# KiCad board panel.kicad_pcb (continued)
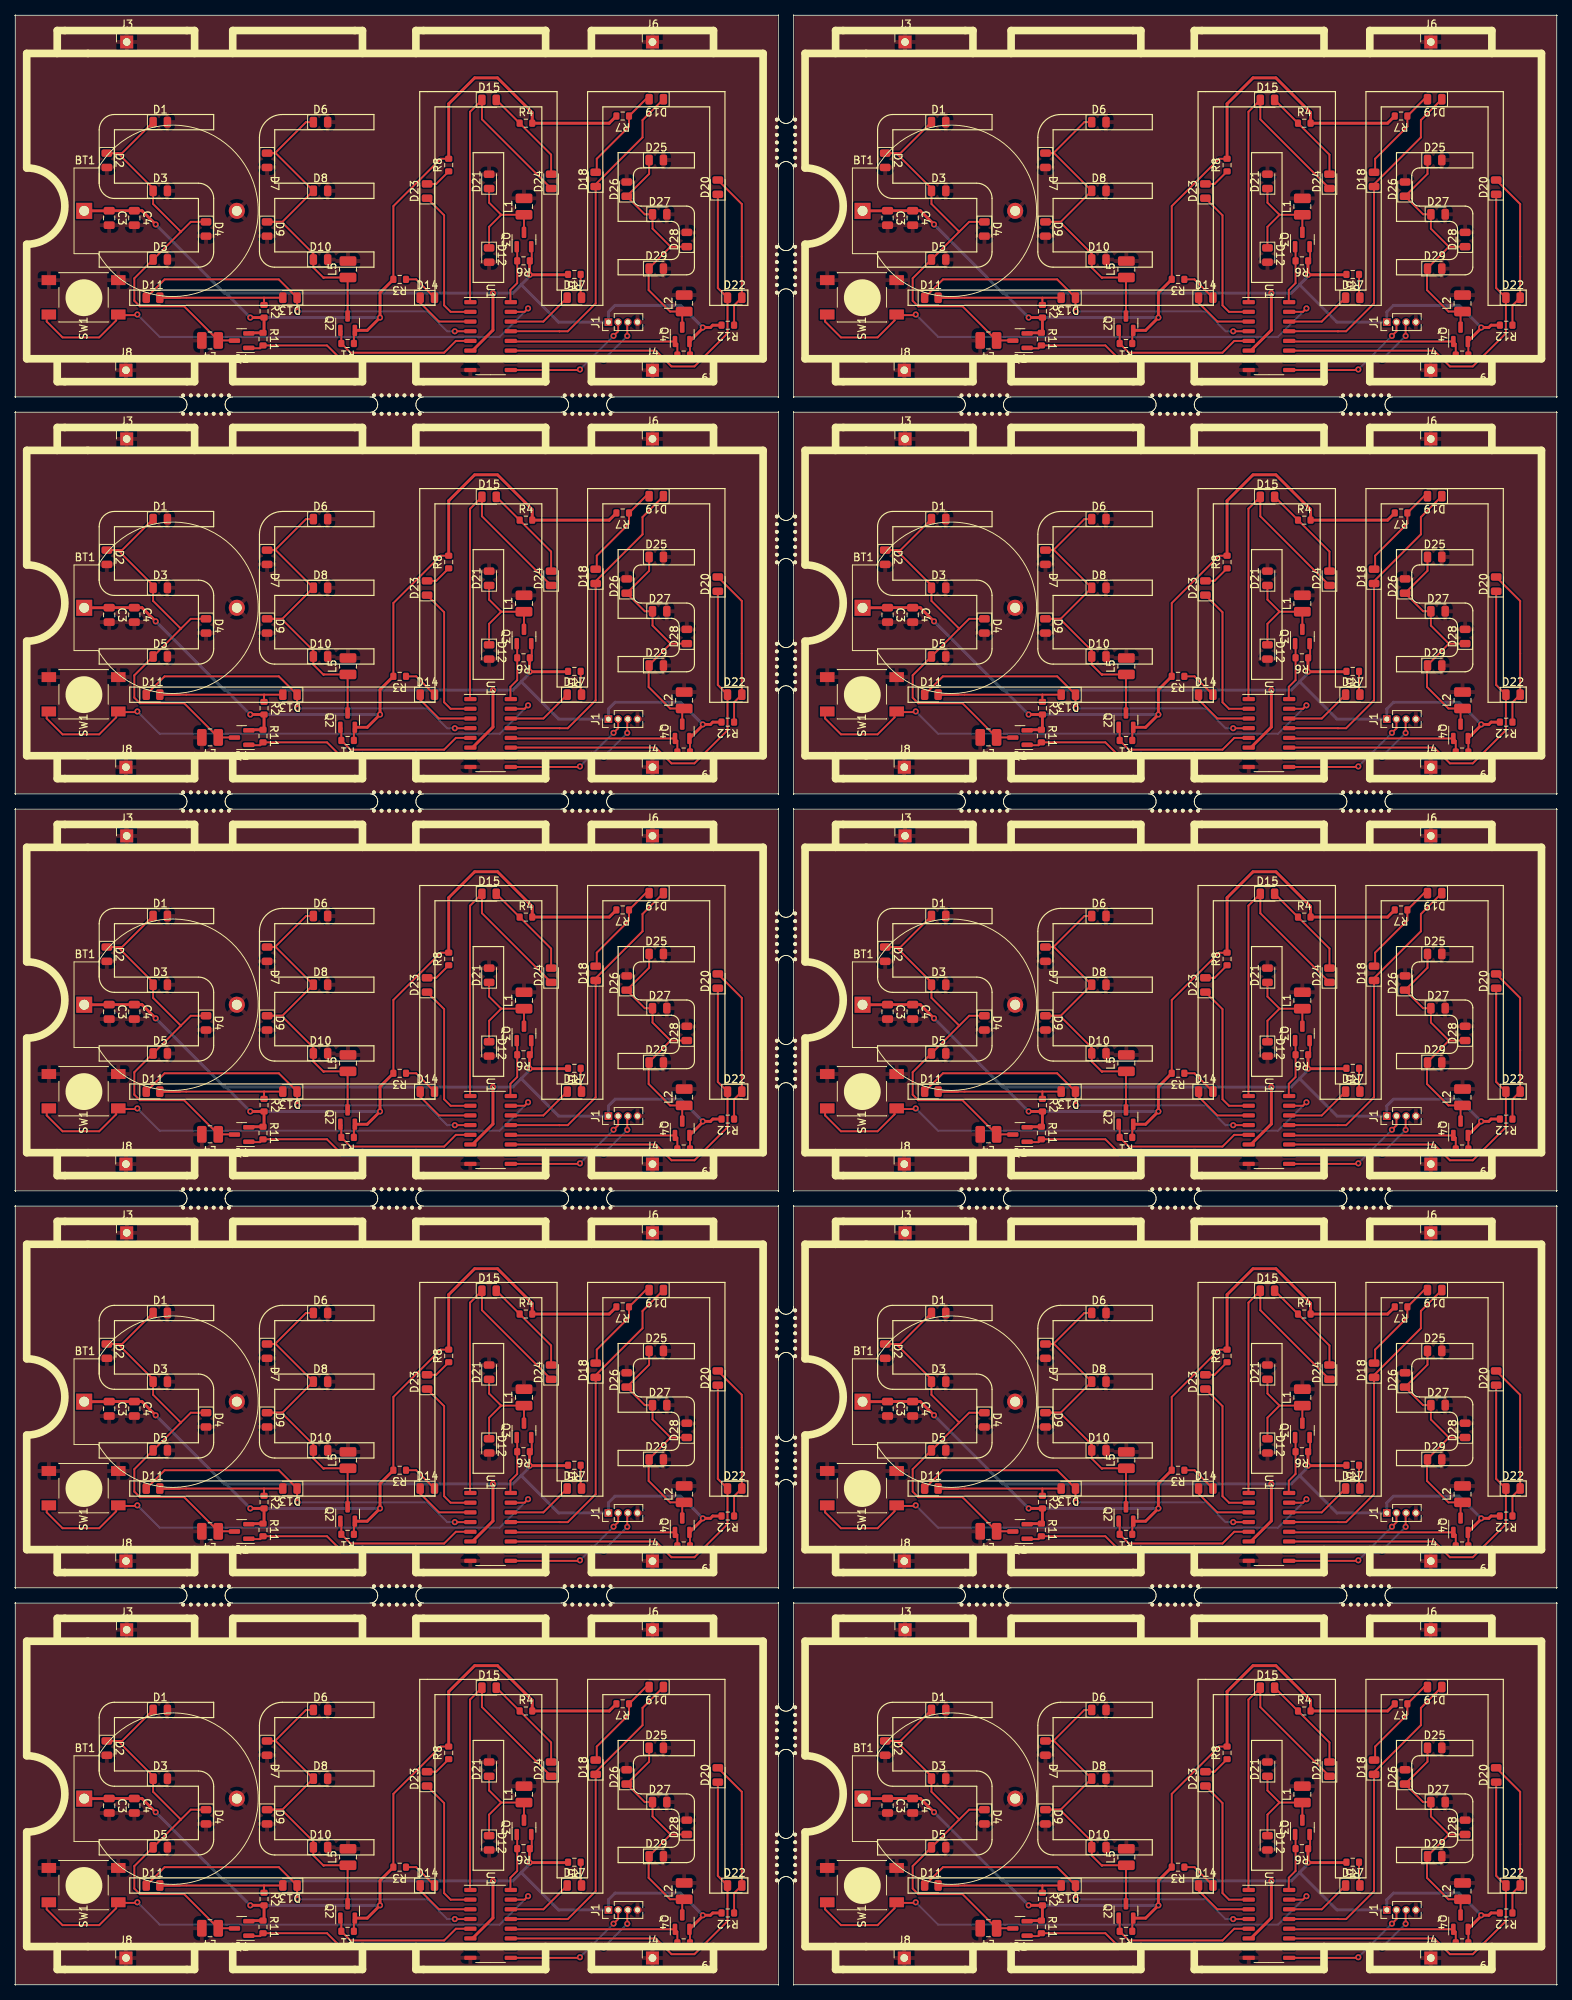
[diagram p0: board, top side]
## Placement (name value [footprint] x y rotation side) (continued)
U1#2  STC8G1K08-SOP16  [STC_SOP-16_3.9x9.9mm_P1.27mm]  164.29 215.97 270 top
U1#3  STC8G1K08-SOP16  [STC_SOP-16_3.9x9.9mm_P1.27mm]  62.29 163.97 270 top
U1#4  STC8G1K08-SOP16  [STC_SOP-16_3.9x9.9mm_P1.27mm]  164.29 163.97 270 top
U1#5  STC8G1K08-SOP16  [STC_SOP-16_3.9x9.9mm_P1.27mm]  62.29 111.97 270 top
U1#6  STC8G1K08-SOP16  [STC_SOP-16_3.9x9.9mm_P1.27mm]  164.29 111.97 270 top
U1#7  STC8G1K08-SOP16  [STC_SOP-16_3.9x9.9mm_P1.27mm]  62.29 59.97 270 top
U1#8  STC8G1K08-SOP16  [STC_SOP-16_3.9x9.9mm_P1.27mm]  164.29 59.97 270 top
U1#9  STC8G1K08-SOP16  [STC_SOP-16_3.9x9.9mm_P1.27mm]  62.29 7.97 270 top
U1#10  STC8G1K08-SOP16  [STC_SOP-16_3.9x9.9mm_P1.27mm]  164.29 7.97 270 top

## Library data of the parts
BT1 BT1#2-BT1#10 = -: Description: Multiple-cell battery
C3 C3#2-C3#10 C4 C4#2-C4#10 = -: Description: Unpolarized capacitor
D1 D1#2-D1#10 D2 D2#2-D2#10 D3 D3#2-D3#10 D4 D4#2-D4#10 D5 D5#2-D5#10 D6 D6#2-D6#10 D7 D7#2-D7#10 D8 D8#2-D8#10 D9 D9#2-D9#10 D10 D10#2-D10#10 D11 D11#2-D11#10 D12 D12#2-D12#10 D13 D13#2-D13#10 D14 D14#2-D14#10 D15 D15#2-D15#10 D17 D17#2-D17#10 D18 D18#2-D18#10 D19 D19#2-D19#10 D20 D20#2-D20#10 D21 D21#2-D21#10 D22 D22#2-D22#10 D23 D23#2-D23#10 D24 D24#2-D24#10 D25 D25#2-D25#10 D26 D26#2-D26#10 D27 D27#2-D27#10 D28 D28#2-D28#10 D29 D29#2-D29#10 = -: Description: Light emitting diode
J1 J1#2-J1#10 = -: Description: Generic connector, single row, 01x04, script generated (kicad-library-utils/schlib/autogen/connector/)
J3 J3#2-J3#10 J4 J4#2-J4#10 J6 J6#2-J6#10 J8 J8#2-J8#10 = -: Description: Generic connector, single row, 01x01, script generated (kicad-library-utils/schlib/autogen/connector/)
L1 L1#2-L1#10 L2 L2#2-L2#10 L4 L4#2-L4#10 L5 L5#2-L5#10 = -: Description: Inductor
Q1 Q1#2-Q1#10 Q2 Q2#2-Q2#10 Q3 Q3#2-Q3#10 Q4 Q4#2-Q4#10 = -: Description: -4.0A Id, -30V Vds, P-Channel MOSFET, SOT-23
R1 R1#2-R1#10 R2 R2#2-R2#10 R3 R3#2-R3#10 R4 R4#2-R4#10 R5 R5#2-R5#10 R6 R6#2-R6#10 R7 R7#2-R7#10 R8 R8#2-R8#10 R9 R9#2-R9#10 R11 R11#2-R11#10 R12 R12#2-R12#10 = -: Description: Resistor
SW1 SW1#2-SW1#10 = -: Description: Single Pole Single Throw (SPST) switch, separate symbol
U1 U1#2-U1#10 = -: Description: Single Chip MCU based on the 8051 architecture, 1KB Flash, 4KB EEPROM, SOP-16

## Footprints (pads in the part's own frame, mm; a bottom-side part is the same pattern mirrored in y, then rotated)
C_0805_2012Metric
  rrect 1x1.45 smd: 1(-0.95,0) 2(0.95,0)
CR2032_Holder
  rect 2.1x2.1 hole 1.3: 1(0,0)
  round 2.1 hole 1.3: 2(20,0)
L_1008_2520Metric
  rrect 1.25x2.2 smd: 1(-1.075,0) 2(1.075,0)
LED_0805_2012Metric
  rrect 0.975x1.4 smd: 1(-0.938,0) 2(0.938,0)
LED_0805_2012Metric#2
  rrect 0.975x1.4 smd: 1(-0.834,-0.002) 2(0.938,0)
NPTH
  round 0.5 hole 0.5 unplated: (0,0)
PinHeader_1x01_P2.54mm_Vertical
  rect 1.7x1.7 hole 1: 1(0,0)
PinHeader_1x04_P1.27mm_Vertical
  rect 1x1 hole 0.65: 1(0,0)
  oval 1x1 hole 0.65: 2(0,-1.27) 3(0,-2.54) 4(0,-3.81)
R_0603_1608Metric
  rrect 0.8x0.95 smd: 1(-0.825,0) 2(0.825,0)
SOT-23
  rrect 1.475x0.6 smd: 1(0.938,-0.95) 2(0.938,0.95) 3(-0.938,0)
STC_SOP-16_3.9x9.9mm_P1.27mm
  rrect 0.55x1.6 smd: 1(-4.445,-2.65) 2(-3.175,-2.65) 3(-1.905,-2.65) 4(-0.635,-2.65) 5(0.635,-2.65) 6(1.905,-2.65) 7(3.175,-2.65) 8(4.445,-2.65) 9(4.445,2.65) 10(3.175,2.65) 11(1.905,2.65) 12(0.635,2.65) 13(-0.635,2.65) 14(-1.905,2.65) 15(-3.175,2.65) 16(-4.445,2.65)
SW_Push_K2-1102SP
  rect 1.3x1.9 smd: 1(-2.25,4.55) 1(-2.25,-4.55) 2(2.25,4.55) 2(2.25,-4.55)

## Nets
Board_0-/LED_EN_1: Q3.1 R6.2 U1.16
Board_0-/LED_EN_5: Q4.1 R9.2 U1.12
Board_0-/LED_EN_E: Q2.1 R1.2 U1.5
Board_0-/LED_EN_M1: D11.1 D13.1 U1.4
Board_0-/LED_EN_M2: D14.1 U1.3
Board_0-/LED_EN_M3: D23.1 U1.2
Board_0-/LED_EN_M4: D15.1 D24.1 U1.1
Board_0-/LED_EN_M5: D17.1 U1.14
Board_0-/LED_EN_M6: D18.1 D19.1 U1.13
Board_0-/LED_EN_M7: D20.1 D22.1 U1.11
Board_0-/LED_EN_S: Q1.1 R11.2 U1.7
Board_0-/P3.0: J1.2 U1.9
Board_0-/P3.1: J1.3 U1.10
Board_0-/SW_IN: SW1.1 U1.15
Board_0-GND: BT1.2 C3.2 C4.2 D1.2 D2.2 D3#8.2 D4.2 D5.2 D6#10.2 D7.2 D8.2 D9.2 D10.2 D12.2 D21.2 D25.2 D26#2.2 D27#4.2 D28.2 D29.2 J1.4 J3#7.1 J4.1 J6.1 J8.1 L1.2 L2.2 L4.2 L5.2 SW1.2 U1.8
Board_0-Net-(D1-K): D1.1 D2.1 D3#8.1 D4.1 D5.1 L4.1 Q1.3
Board_0-Net-(D10-K): D6#10.1 D7.1 D8.1 D9.1 D10.1 L5.1 Q2.3
Board_0-Net-(D11-A): D11.2 D13.2 R2.1
Board_0-Net-(D12-K): D12.1 D21.1 L1.1 Q3.3
Board_0-Net-(D14-A): D14.2 R3.1
Board_0-Net-(D15-A): D15.2 D24.2 R4.1
Board_0-Net-(D17-A): D17.2 R5.1
Board_0-Net-(D18-A): D18.2 D19.2 R7.1
Board_0-Net-(D20-A): D20.2 D22.2 R12.1
Board_0-Net-(D23-A): D23.2 R8.1
Board_0-Net-(D25-K): D25.1 D26#2.1 D27#4.1 D28.1 D29.1 L2.1 Q4.3
Board_0-VCC: BT1.1 C3.1 C4.1 J1.1 Q1.2 Q2.2 Q3.2 Q4.2 R1.1 R2.2 R3.2 R4.2 R5.2 R6.1 R7.2 R8.2 R9.1 R11.1 R12.2 U1.6
Board_1-/LED_EN_1: Q3#2.1 R6#2.2 U1#2.16
Board_1-/LED_EN_5: Q4#2.1 R9#2.2 U1#2.12
Board_1-/LED_EN_E: Q2#2.1 R1#2.2 U1#2.5
Board_1-/LED_EN_M1: D11#2.1 D13#2.1 U1#2.4
Board_1-/LED_EN_M2: D14#2.1 U1#2.3
Board_1-/LED_EN_M3: D23#2.1 U1#2.2
Board_1-/LED_EN_M4: D15#2.1 D24#2.1 U1#2.1
Board_1-/LED_EN_M5: D17#2.1 U1#2.14
Board_1-/LED_EN_M6: D18#2.1 D19#2.1 U1#2.13
Board_1-/LED_EN_M7: D20#2.1 D22#2.1 U1#2.11
Board_1-/LED_EN_S: Q1#2.1 R11#2.2 U1#2.7
Board_1-/P3.0: J1#2.2 U1#2.9
Board_1-/P3.1: J1#2.3 U1#2.10
Board_1-/SW_IN: SW1#2.1 U1#2.15
Board_1-GND: BT1#2.2 C3#2.2 C4#2.2 D1#2.2 D2#2.2 D3#9.2 D4#2.2 D5#2.2 D6.2 D7#2.2 D8#2.2 D9#2.2 D10#2.2 D12#2.2 D21#2.2 D25#2.2 D26.2 D27#5.2 D28#2.2 D29#2.2 J1#2.4 J3#8.1 J4#2.1 J6#2.1 J8#2.1 L1#2.2 L2#2.2 L4#2.2 L5#2.2 SW1#2.2 U1#2.8
Board_1-Net-(D1-K): D1#2.1 D2#2.1 D3#9.1 D4#2.1 D5#2.1 L4#2.1 Q1#2.3
Board_1-Net-(D10-K): D6.1 D7#2.1 D8#2.1 D9#2.1 D10#2.1 L5#2.1 Q2#2.3
Board_1-Net-(D11-A): D11#2.2 D13#2.2 R2#2.1
Board_1-Net-(D12-K): D12#2.1 D21#2.1 L1#2.1 Q3#2.3
Board_1-Net-(D14-A): D14#2.2 R3#2.1
Board_1-Net-(D15-A): D15#2.2 D24#2.2 R4#2.1
Board_1-Net-(D17-A): D17#2.2 R5#2.1
Board_1-Net-(D18-A): D18#2.2 D19#2.2 R7#2.1
Board_1-Net-(D20-A): D20#2.2 D22#2.2 R12#2.1
Board_1-Net-(D23-A): D23#2.2 R8#2.1
Board_1-Net-(D25-K): D25#2.1 D26.1 D27#5.1 D28#2.1 D29#2.1 L2#2.1 Q4#2.3
Board_1-VCC: BT1#2.1 C3#2.1 C4#2.1 J1#2.1 Q1#2.2 Q2#2.2 Q3#2.2 Q4#2.2 R1#2.1 R2#2.2 R3#2.2 R4#2.2 R5#2.2 R6#2.1 R7#2.2 R8#2.2 R9#2.1 R11#2.1 R12#2.2 U1#2.6
Board_2-/LED_EN_1: Q3#3.1 R6#3.2 U1#3.16
Board_2-/LED_EN_5: Q4#3.1 R9#3.2 U1#3.12
Board_2-/LED_EN_E: Q2#3.1 R1#3.2 U1#3.5
Board_2-/LED_EN_M1: D11#3.1 D13#3.1 U1#3.4
Board_2-/LED_EN_M2: D14#3.1 U1#3.3
Board_2-/LED_EN_M3: D23#3.1 U1#3.2
Board_2-/LED_EN_M4: D15#3.1 D24#3.1 U1#3.1
Board_2-/LED_EN_M5: D17#3.1 U1#3.14
Board_2-/LED_EN_M6: D18#3.1 D19#3.1 U1#3.13
Board_2-/LED_EN_M7: D20#3.1 D22#3.1 U1#3.11
Board_2-/LED_EN_S: Q1#3.1 R11#3.2 U1#3.7
Board_2-/P3.0: J1#3.2 U1#3.9
Board_2-/P3.1: J1#3.3 U1#3.10
Board_2-/SW_IN: SW1#3.1 U1#3.15
Board_2-GND: BT1#3.2 C3#3.2 C4#3.2 D1#3.2 D2#3.2 D3#10.2 D4#3.2 D5#3.2 D6#2.2 D7#3.2 D8#3.2 D9#3.2 D10#3.2 D12#3.2 D21#3.2 D25#3.2 D26#3.2 D27#6.2 D28#3.2 D29#3.2 J1#3.4 J3#9.1 J4#3.1 J6#3.1 J8#3.1 L1#3.2 L2#3.2 L4#3.2 L5#3.2 SW1#3.2 U1#3.8
Board_2-Net-(D1-K): D1#3.1 D2#3.1 D3#10.1 D4#3.1 D5#3.1 L4#3.1 Q1#3.3
Board_2-Net-(D10-K): D6#2.1 D7#3.1 D8#3.1 D9#3.1 D10#3.1 L5#3.1 Q2#3.3
Board_2-Net-(D11-A): D11#3.2 D13#3.2 R2#3.1
Board_2-Net-(D12-K): D12#3.1 D21#3.1 L1#3.1 Q3#3.3
Board_2-Net-(D14-A): D14#3.2 R3#3.1
Board_2-Net-(D15-A): D15#3.2 D24#3.2 R4#3.1
Board_2-Net-(D17-A): D17#3.2 R5#3.1
Board_2-Net-(D18-A): D18#3.2 D19#3.2 R7#3.1
Board_2-Net-(D20-A): D20#3.2 D22#3.2 R12#3.1
Board_2-Net-(D23-A): D23#3.2 R8#3.1
Board_2-Net-(D25-K): D25#3.1 D26#3.1 D27#6.1 D28#3.1 D29#3.1 L2#3.1 Q4#3.3
Board_2-VCC: BT1#3.1 C3#3.1 C4#3.1 J1#3.1 Q1#3.2 Q2#3.2 Q3#3.2 Q4#3.2 R1#3.1 R2#3.2 R3#3.2 R4#3.2 R5#3.2 R6#3.1 R7#3.2 R8#3.2 R9#3.1 R11#3.1 R12#3.2 U1#3.6
Board_3-/LED_EN_1: Q3#4.1 R6#4.2 U1#4.16
Board_3-/LED_EN_5: Q4#4.1 R9#4.2 U1#4.12
Board_3-/LED_EN_E: Q2#4.1 R1#4.2 U1#4.5
Board_3-/LED_EN_M1: D11#4.1 D13#4.1 U1#4.4
Board_3-/LED_EN_M2: D14#4.1 U1#4.3
Board_3-/LED_EN_M3: D23#4.1 U1#4.2
Board_3-/LED_EN_M4: D15#4.1 D24#4.1 U1#4.1
Board_3-/LED_EN_M5: D17#4.1 U1#4.14
Board_3-/LED_EN_M6: D18#5.1 D19#4.1 U1#4.13
Board_3-/LED_EN_M7: D20#4.1 D22#4.1 U1#4.11
Board_3-/LED_EN_S: Q1#4.1 R11#4.2 U1#4.7
Board_3-/P3.0: J1#4.2 U1#4.9
Board_3-/P3.1: J1#4.3 U1#4.10
Board_3-/SW_IN: SW1#4.1 U1#4.15
Board_3-GND: BT1#4.2 C3#4.2 C4#4.2 D1#4.2 D2#4.2 D3.2 D4#4.2 D5#4.2 D6#3.2 D7#4.2 D8#4.2 D9#4.2 D10#4.2 D12#4.2 D21#4.2 D25#4.2 D26#4.2 D27#7.2 D28#4.2 D29#4.2 J1#4.4 J3#10.1 J4#4.1 J6#4.1 J8#4.1 L1#4.2 L2#4.2 L4#4.2 L5#4.2 SW1#4.2 U1#4.8
Board_3-Net-(D1-K): D1#4.1 D2#4.1 D3.1 D4#4.1 D5#4.1 L4#4.1 Q1#4.3
Board_3-Net-(D10-K): D6#3.1 D7#4.1 D8#4.1 D9#4.1 D10#4.1 L5#4.1 Q2#4.3
Board_3-Net-(D11-A): D11#4.2 D13#4.2 R2#4.1
Board_3-Net-(D12-K): D12#4.1 D21#4.1 L1#4.1 Q3#4.3
Board_3-Net-(D14-A): D14#4.2 R3#4.1
Board_3-Net-(D15-A): D15#4.2 D24#4.2 R4#4.1
Board_3-Net-(D17-A): D17#4.2 R5#4.1
Board_3-Net-(D18-A): D18#5.2 D19#4.2 R7#4.1
Board_3-Net-(D20-A): D20#4.2 D22#4.2 R12#4.1
Board_3-Net-(D23-A): D23#4.2 R8#4.1
Board_3-Net-(D25-K): D25#4.1 D26#4.1 D27#7.1 D28#4.1 D29#4.1 L2#4.1 Q4#4.3
Board_3-VCC: BT1#4.1 C3#4.1 C4#4.1 J1#4.1 Q1#4.2 Q2#4.2 Q3#4.2 Q4#4.2 R1#4.1 R2#4.2 R3#4.2 R4#4.2 R5#4.2 R6#4.1 R7#4.2 R8#4.2 R9#4.1 R11#4.1 R12#4.2 U1#4.6
Board_4-/LED_EN_1: Q3#5.1 R6#5.2 U1#5.16
Board_4-/LED_EN_5: Q4#5.1 R9#5.2 U1#5.12
Board_4-/LED_EN_E: Q2#5.1 R1#5.2 U1#5.5
Board_4-/LED_EN_M1: D11#5.1 D13#5.1 U1#5.4
Board_4-/LED_EN_M2: D14#5.1 U1#5.3
Board_4-/LED_EN_M3: D23#5.1 U1#5.2
Board_4-/LED_EN_M4: D15#5.1 D24#5.1 U1#5.1
Board_4-/LED_EN_M5: D17#5.1 U1#5.14
Board_4-/LED_EN_M6: D18#6.1 D19#5.1 U1#5.13
Board_4-/LED_EN_M7: D20#5.1 D22#5.1 U1#5.11
Board_4-/LED_EN_S: Q1#5.1 R11#5.2 U1#5.7
Board_4-/P3.0: J1#5.2 U1#5.9
Board_4-/P3.1: J1#5.3 U1#5.10
Board_4-/SW_IN: SW1#5.1 U1#5.15
Board_4-GND: BT1#5.2 C3#5.2 C4#5.2 D1#5.2 D2#5.2 D3#2.2 D4#5.2 D5#5.2 D6#4.2 D7#5.2 D8#5.2 D9#5.2 D10#5.2 D12#5.2 D21#5.2 D25#5.2 D26#5.2 D27#8.2 D28#5.2 D29#5.2 J1#5.4 J3.1 J4#5.1 J6#5.1 J8#5.1 L1#5.2 L2#5.2 L4#5.2 L5#5.2 SW1#5.2 U1#5.8
Board_4-Net-(D1-K): D1#5.1 D2#5.1 D3#2.1 D4#5.1 D5#5.1 L4#5.1 Q1#5.3
Board_4-Net-(D10-K): D6#4.1 D7#5.1 D8#5.1 D9#5.1 D10#5.1 L5#5.1 Q2#5.3
Board_4-Net-(D11-A): D11#5.2 D13#5.2 R2#5.1
Board_4-Net-(D12-K): D12#5.1 D21#5.1 L1#5.1 Q3#5.3
Board_4-Net-(D14-A): D14#5.2 R3#5.1
Board_4-Net-(D15-A): D15#5.2 D24#5.2 R4#5.1
Board_4-Net-(D17-A): D17#5.2 R5#5.1
Board_4-Net-(D18-A): D18#6.2 D19#5.2 R7#5.1
Board_4-Net-(D20-A): D20#5.2 D22#5.2 R12#5.1
Board_4-Net-(D23-A): D23#5.2 R8#5.1
Board_4-Net-(D25-K): D25#5.1 D26#5.1 D27#8.1 D28#5.1 D29#5.1 L2#5.1 Q4#5.3
Board_4-VCC: BT1#5.1 C3#5.1 C4#5.1 J1#5.1 Q1#5.2 Q2#5.2 Q3#5.2 Q4#5.2 R1#5.1 R2#5.2 R3#5.2 R4#5.2 R5#5.2 R6#5.1 R7#5.2 R8#5.2 R9#5.1 R11#5.1 R12#5.2 U1#5.6
Board_5-/LED_EN_1: Q3#6.1 R6#6.2 U1#6.16
Board_5-/LED_EN_5: Q4#6.1 R9#6.2 U1#6.12
Board_5-/LED_EN_E: Q2#6.1 R1#6.2 U1#6.5
Board_5-/LED_EN_M1: D11#6.1 D13#6.1 U1#6.4
Board_5-/LED_EN_M2: D14#6.1 U1#6.3
Board_5-/LED_EN_M3: D23#6.1 U1#6.2
Board_5-/LED_EN_M4: D15#6.1 D24#6.1 U1#6.1
Board_5-/LED_EN_M5: D17#6.1 U1#6.14
Board_5-/LED_EN_M6: D18#7.1 D19#6.1 U1#6.13
Board_5-/LED_EN_M7: D20#6.1 D22#6.1 U1#6.11
Board_5-/LED_EN_S: Q1#6.1 R11#6.2 U1#6.7
Board_5-/P3.0: J1#6.2 U1#6.9
Board_5-/P3.1: J1#6.3 U1#6.10
Board_5-/SW_IN: SW1#6.1 U1#6.15
Board_5-GND: BT1#6.2 C3#6.2 C4#6.2 D1#6.2 D2#6.2 D3#3.2 D4#6.2 D5#6.2 D6#5.2 D7#6.2 D8#6.2 D9#6.2 D10#6.2 D12#6.2 D21#6.2 D25#6.2 D26#6.2 D27#9.2 D28#6.2 D29#6.2 J1#6.4 J3#2.1 J4#6.1 J6#6.1 J8#6.1 L1#6.2 L2#6.2 L4#6.2 L5#6.2 SW1#6.2 U1#6.8
Board_5-Net-(D1-K): D1#6.1 D2#6.1 D3#3.1 D4#6.1 D5#6.1 L4#6.1 Q1#6.3
Board_5-Net-(D10-K): D6#5.1 D7#6.1 D8#6.1 D9#6.1 D10#6.1 L5#6.1 Q2#6.3
Board_5-Net-(D11-A): D11#6.2 D13#6.2 R2#6.1
Board_5-Net-(D12-K): D12#6.1 D21#6.1 L1#6.1 Q3#6.3
Board_5-Net-(D14-A): D14#6.2 R3#6.1
Board_5-Net-(D15-A): D15#6.2 D24#6.2 R4#6.1
Board_5-Net-(D17-A): D17#6.2 R5#6.1
Board_5-Net-(D18-A): D18#7.2 D19#6.2 R7#6.1
Board_5-Net-(D20-A): D20#6.2 D22#6.2 R12#6.1
Board_5-Net-(D23-A): D23#6.2 R8#6.1
Board_5-Net-(D25-K): D25#6.1 D26#6.1 D27#9.1 D28#6.1 D29#6.1 L2#6.1 Q4#6.3
Board_5-VCC: BT1#6.1 C3#6.1 C4#6.1 J1#6.1 Q1#6.2 Q2#6.2 Q3#6.2 Q4#6.2 R1#6.1 R2#6.2 R3#6.2 R4#6.2 R5#6.2 R6#6.1 R7#6.2 R8#6.2 R9#6.1 R11#6.1 R12#6.2 U1#6.6
Board_6-/LED_EN_1: Q3#7.1 R6#7.2 U1#7.16
Board_6-/LED_EN_5: Q4#7.1 R9#7.2 U1#7.12
Board_6-/LED_EN_E: Q2#7.1 R1#7.2 U1#7.5
Board_6-/LED_EN_M1: D11#7.1 D13#7.1 U1#7.4
Board_6-/LED_EN_M2: D14#7.1 U1#7.3
Board_6-/LED_EN_M3: D23#7.1 U1#7.2
Board_6-/LED_EN_M4: D15#7.1 D24#7.1 U1#7.1
Board_6-/LED_EN_M5: D17#7.1 U1#7.14
Board_6-/LED_EN_M6: D18#4.1 D19#7.1 U1#7.13
Board_6-/LED_EN_M7: D20#7.1 D22#7.1 U1#7.11
Board_6-/LED_EN_S: Q1#7.1 R11#7.2 U1#7.7
Board_6-/P3.0: J1#7.2 U1#7.9
Board_6-/P3.1: J1#7.3 U1#7.10
Board_6-/SW_IN: SW1#7.1 U1#7.15
Board_6-GND: BT1#7.2 C3#7.2 C4#7.2 D1#7.2 D2#7.2 D3#4.2 D4#7.2 D5#7.2 D6#6.2 D7#7.2 D8#7.2 D9#7.2 D10#7.2 D12#7.2 D21#7.2 D25#7.2 D26#7.2 D27#10.2 D28#7.2 D29#7.2 J1#7.4 J3#3.1 J4#7.1 J6#7.1 J8#7.1 L1#7.2 L2#7.2 L4#7.2 L5#7.2 SW1#7.2 U1#7.8
Board_6-Net-(D1-K): D1#7.1 D2#7.1 D3#4.1 D4#7.1 D5#7.1 L4#7.1 Q1#7.3
Board_6-Net-(D10-K): D6#6.1 D7#7.1 D8#7.1 D9#7.1 D10#7.1 L5#7.1 Q2#7.3
Board_6-Net-(D11-A): D11#7.2 D13#7.2 R2#7.1
Board_6-Net-(D12-K): D12#7.1 D21#7.1 L1#7.1 Q3#7.3
Board_6-Net-(D14-A): D14#7.2 R3#7.1
Board_6-Net-(D15-A): D15#7.2 D24#7.2 R4#7.1
Board_6-Net-(D17-A): D17#7.2 R5#7.1
Board_6-Net-(D18-A): D18#4.2 D19#7.2 R7#7.1
Board_6-Net-(D20-A): D20#7.2 D22#7.2 R12#7.1
Board_6-Net-(D23-A): D23#7.2 R8#7.1
Board_6-Net-(D25-K): D25#7.1 D26#7.1 D27#10.1 D28#7.1 D29#7.1 L2#7.1 Q4#7.3
Board_6-VCC: BT1#7.1 C3#7.1 C4#7.1 J1#7.1 Q1#7.2 Q2#7.2 Q3#7.2 Q4#7.2 R1#7.1 R2#7.2 R3#7.2 R4#7.2 R5#7.2 R6#7.1 R7#7.2 R8#7.2 R9#7.1 R11#7.1 R12#7.2 U1#7.6
Board_7-/LED_EN_1: Q3#8.1 R6#8.2 U1#8.16
Board_7-/LED_EN_5: Q4#8.1 R9#8.2 U1#8.12
Board_7-/LED_EN_E: Q2#8.1 R1#8.2 U1#8.5
Board_7-/LED_EN_M1: D11#8.1 D13#8.1 U1#8.4
Board_7-/LED_EN_M2: D14#8.1 U1#8.3
Board_7-/LED_EN_M3: D23#8.1 U1#8.2
Board_7-/LED_EN_M4: D15#8.1 D24#8.1 U1#8.1
Board_7-/LED_EN_M5: D17#8.1 U1#8.14
Board_7-/LED_EN_M6: D18#8.1 D19#8.1 U1#8.13
Board_7-/LED_EN_M7: D20#8.1 D22#8.1 U1#8.11
Board_7-/LED_EN_S: Q1#8.1 R11#8.2 U1#8.7
Board_7-/P3.0: J1#8.2 U1#8.9
Board_7-/P3.1: J1#8.3 U1#8.10
Board_7-/SW_IN: SW1#8.1 U1#8.15
Board_7-GND: BT1#8.2 C3#8.2 C4#8.2 D1#8.2 D2#8.2 D3#5.2 D4#8.2 D5#8.2 D6#7.2 D7#8.2 D8#8.2 D9#8.2 D10#8.2 D12#8.2 D21#8.2 D25#8.2 D26#8.2 D27.2 D28#8.2 D29#8.2 J1#8.4 J3#4.1 J4#8.1 J6#8.1 J8#8.1 L1#8.2 L2#8.2 L4#8.2 L5#8.2 SW1#8.2 U1#8.8
Board_7-Net-(D1-K): D1#8.1 D2#8.1 D3#5.1 D4#8.1 D5#8.1 L4#8.1 Q1#8.3
Board_7-Net-(D10-K): D6#7.1 D7#8.1 D8#8.1 D9#8.1 D10#8.1 L5#8.1 Q2#8.3
Board_7-Net-(D11-A): D11#8.2 D13#8.2 R2#8.1
Board_7-Net-(D12-K): D12#8.1 D21#8.1 L1#8.1 Q3#8.3
Board_7-Net-(D14-A): D14#8.2 R3#8.1
Board_7-Net-(D15-A): D15#8.2 D24#8.2 R4#8.1
Board_7-Net-(D17-A): D17#8.2 R5#8.1
Board_7-Net-(D18-A): D18#8.2 D19#8.2 R7#8.1
Board_7-Net-(D20-A): D20#8.2 D22#8.2 R12#8.1
Board_7-Net-(D23-A): D23#8.2 R8#8.1
Board_7-Net-(D25-K): D25#8.1 D26#8.1 D27.1 D28#8.1 D29#8.1 L2#8.1 Q4#8.3
Board_7-VCC: BT1#8.1 C3#8.1 C4#8.1 J1#8.1 Q1#8.2 Q2#8.2 Q3#8.2 Q4#8.2 R1#8.1 R2#8.2 R3#8.2 R4#8.2 R5#8.2 R6#8.1 R7#8.2 R8#8.2 R9#8.1 R11#8.1 R12#8.2 U1#8.6
Board_8-/LED_EN_1: Q3#9.1 R6#9.2 U1#9.16
Board_8-/LED_EN_5: Q4#9.1 R9#9.2 U1#9.12
Board_8-/LED_EN_E: Q2#9.1 R1#9.2 U1#9.5
Board_8-/LED_EN_M1: D11#9.1 D13#9.1 U1#9.4
Board_8-/LED_EN_M2: D14#9.1 U1#9.3
Board_8-/LED_EN_M3: D23#9.1 U1#9.2
Board_8-/LED_EN_M4: D15#9.1 D24#9.1 U1#9.1
Board_8-/LED_EN_M5: D17#9.1 U1#9.14
Board_8-/LED_EN_M6: D18#9.1 D19#9.1 U1#9.13
Board_8-/LED_EN_M7: D20#9.1 D22#9.1 U1#9.11
Board_8-/LED_EN_S: Q1#9.1 R11#9.2 U1#9.7
Board_8-/P3.0: J1#9.2 U1#9.9
Board_8-/P3.1: J1#9.3 U1#9.10
Board_8-/SW_IN: SW1#9.1 U1#9.15
Board_8-GND: BT1#9.2 C3#9.2 C4#9.2 D1#9.2 D2#9.2 D3#6.2 D4#9.2 D5#9.2 D6#8.2 D7#9.2 D8#9.2 D9#9.2 D10#9.2 D12#9.2 D21#9.2 D25#9.2 D26#9.2 D27#2.2 D28#9.2 D29#9.2 J1#9.4 J3#5.1 J4#9.1 J6#9.1 J8#9.1 L1#9.2 L2#9.2 L4#9.2 L5#9.2 SW1#9.2 U1#9.8
Board_8-Net-(D1-K): D1#9.1 D2#9.1 D3#6.1 D4#9.1 D5#9.1 L4#9.1 Q1#9.3
Board_8-Net-(D10-K): D6#8.1 D7#9.1 D8#9.1 D9#9.1 D10#9.1 L5#9.1 Q2#9.3
Board_8-Net-(D11-A): D11#9.2 D13#9.2 R2#9.1
Board_8-Net-(D12-K): D12#9.1 D21#9.1 L1#9.1 Q3#9.3
Board_8-Net-(D14-A): D14#9.2 R3#9.1
Board_8-Net-(D15-A): D15#9.2 D24#9.2 R4#9.1
Board_8-Net-(D17-A): D17#9.2 R5#9.1
Board_8-Net-(D18-A): D18#9.2 D19#9.2 R7#9.1
Board_8-Net-(D20-A): D20#9.2 D22#9.2 R12#9.1
Board_8-Net-(D23-A): D23#9.2 R8#9.1
Board_8-Net-(D25-K): D25#9.1 D26#9.1 D27#2.1 D28#9.1 D29#9.1 L2#9.1 Q4#9.3
Board_8-VCC: BT1#9.1 C3#9.1 C4#9.1 J1#9.1 Q1#9.2 Q2#9.2 Q3#9.2 Q4#9.2 R1#9.1 R2#9.2 R3#9.2 R4#9.2 R5#9.2 R6#9.1 R7#9.2 R8#9.2 R9#9.1 R11#9.1 R12#9.2 U1#9.6
Board_9-/LED_EN_1: Q3#10.1 R6#10.2 U1#10.16
Board_9-/LED_EN_5: Q4#10.1 R9#10.2 U1#10.12
Board_9-/LED_EN_E: Q2#10.1 R1#10.2 U1#10.5
Board_9-/LED_EN_M1: D11#10.1 D13#10.1 U1#10.4
Board_9-/LED_EN_M2: D14#10.1 U1#10.3
Board_9-/LED_EN_M3: D23#10.1 U1#10.2
Board_9-/LED_EN_M4: D15#10.1 D24#10.1 U1#10.1
Board_9-/LED_EN_M5: D17#10.1 U1#10.14
Board_9-/LED_EN_M6: D18#10.1 D19#10.1 U1#10.13
Board_9-/LED_EN_M7: D20#10.1 D22#10.1 U1#10.11
Board_9-/LED_EN_S: Q1#10.1 R11#10.2 U1#10.7
Board_9-/P3.0: J1#10.2 U1#10.9
Board_9-/P3.1: J1#10.3 U1#10.10
Board_9-/SW_IN: SW1#10.1 U1#10.15
Board_9-GND: BT1#10.2 C3#10.2 C4#10.2 D1#10.2 D2#10.2 D3#7.2 D4#10.2 D5#10.2 D6#9.2 D7#10.2 D8#10.2 D9#10.2 D10#10.2 D12#10.2 D21#10.2 D25#10.2 D26#10.2 D27#3.2 D28#10.2 D29#10.2 J1#10.4 J3#6.1 J4#10.1 J6#10.1 J8#10.1 L1#10.2 L2#10.2 L4#10.2 L5#10.2 SW1#10.2 U1#10.8
Board_9-Net-(D1-K): D1#10.1 D2#10.1 D3#7.1 D4#10.1 D5#10.1 L4#10.1 Q1#10.3
Board_9-Net-(D10-K): D6#9.1 D7#10.1 D8#10.1 D9#10.1 D10#10.1 L5#10.1 Q2#10.3
Board_9-Net-(D11-A): D11#10.2 D13#10.2 R2#10.1
Board_9-Net-(D12-K): D12#10.1 D21#10.1 L1#10.1 Q3#10.3
Board_9-Net-(D14-A): D14#10.2 R3#10.1
Board_9-Net-(D15-A): D15#10.2 D24#10.2 R4#10.1
Board_9-Net-(D17-A): D17#10.2 R5#10.1
Board_9-Net-(D18-A): D18#10.2 D19#10.2 R7#10.1
Board_9-Net-(D20-A): D20#10.2 D22#10.2 R12#10.1
Board_9-Net-(D23-A): D23#10.2 R8#10.1
Board_9-Net-(D25-K): D25#10.1 D26#10.1 D27#3.1 D28#10.1 D29#10.1 L2#10.1 Q4#10.3
Board_9-VCC: BT1#10.1 C3#10.1 C4#10.1 J1#10.1 Q1#10.2 Q2#10.2 Q3#10.2 Q4#10.2 R1#10.1 R2#10.2 R3#10.2 R4#10.2 R5#10.2 R6#10.1 R7#10.2 R8#10.2 R9#10.1 R11#10.1 R12#10.2 U1#10.6

## Via types
v1: diameter 0.8, hole 0.4, Top to Bottom, 140 vias

## Routing (per net, layer and track width the routed paths; a pad name or vN(x,y) marks a point on that pad's centre or on a via; arc(x,y) is an arc through that point)
Board_0-/LED_EN_1: length 7.7
  Top w0.25: U1.16 64.89,220.47 64.89,222.02 65.78,222.91 R6.2 65.78,227.62 Q3.1
Board_0-/LED_EN_5: length 23.5
  Top w0.25: R9.2 86.77,214.95 Q4.1
  Top w0.254: Q4.1 65.01,215.26 U1.12
Board_0-/LED_EN_E: length 19.8
  Top w0.254: Q2.1 42.72,216.6 R1.2 43.93,213.8 56.2,213.8 57.74,215.34 U1.5
Board_0-/LED_EN_M1: length 47.3
  Top w0.254: v1(57.6,216.6) 59.63,216.6 U1.4 ; v1(37,219.2) 36.94,219.26 D13.1 34.54,223.4 19.57,223.4 D11.1
  Bottom w0.254: v1(37,219.2) 54,219.2 56.6,216.6 v1(57.6,216.6)
Board_0-/LED_EN_M2: length 8.3
  Top w0.254: D14.1 53.06,220.34 55.52,217.88 U1.3
Board_0-/LED_EN_M3: length 18.8
  Top w0.254: D23.1 56.2,231.8 56.2,220 57.05,219.15 U1.2
Board_0-/LED_EN_M4: length 42.5
  Top w0.254: D24.1 61.15,244.37 D15.1 59.6,245.36 59.6,220.45 U1.1
Board_0-/LED_EN_M5: length 8.7
  Top w0.254: D17.1 69.21,217.88 U1.14
Board_0-/LED_EN_M6: length 43.1
  Top w0.254: U1.13 71.32,216.61 71.33,216.6 72.4,216.6 76.06,220.26 D18.1 76.06,235.86 82.2,242 82.2,244.26 D19.1
Board_0-/LED_EN_M7: length 49.8
  Top w0.254: D20.1 92.06,222.27 D22.1 93.33,216.33 89,212 86,212 83.93,214.07 U1.11
Board_0-/LED_EN_S: length 30
  Top w0.254: 59.63,212.8 U1.7 42.8,212.8 40.85,214.75 R11.2 32.09,214.38 30.65,214.38 Q1.1
Board_0-/P3.0: length 17.4
  Top w0.254: U1.9 73.93,211.53 v1(74,211.6) ; v1(78.4,216) 79,216.6 J1.2
  Bottom w0.254: v1(74,211.6) v1(78.4,216)
Board_0-/P3.1: length 18.4
  Top w0.254: J1.3 80.2,217.73 v1(80.2,215.99) ; v1(77.11,212.89) 77.01,212.8 U1.10
  Bottom w0.254: v1(77.11,212.89) v1(80.2,215.99)
Board_0-/SW_IN: length 71.6
  Top w0.254: 4.12,218.72 4.12,217.88 6.2,215.8 11,215.8 13.22,218.02 13.22,218.72 15.92,218.72 v1(16,218.8) ; v1(67.2,219.6) 66.75,219.15 U1.15
  Bottom w0.254: v1(16,218.8) 18.93,215.87 63.47,215.87 v1(67.2,219.6)
Board_0-Net-(D1-K): length 52.2
  Top w0.25: 13.44,239.94 14,239.94 D1.1 ; 13.44,239.94 D2.1 ; 13.44,239.94 18.06,235.31 D3#8.1 18.06,233.28 21.7,229.64 ; D4.1 23,230.94 21.7,229.64 ; 21.7,229.64 D5.1
  Top w0.254: Q1.3 28.7,215.4 L4.1 22.13,219.87 16.33,219.87 15.6,220.6 15.6,223.54 D5.1
Board_0-Net-(D10-K): length 43.4
  Top w0.25: D10.1 39.06,226.76 34.89,230.94 D9.1 35,230.94 D8.1 34.12,239.94 D7.1 34.04,239.94 38.1,244 D6#10.1
  Top w0.254: D10.1 39.06,224.94 40.4,223.6 40.45,223.65 L5.1 43.55,223.6 Q2.3
Board_0-Net-(D11-A): length 19.7
  Top w0.25: D13.2 D11.2
  Top w0.254: R2.1 32.6,221 ; D11.2 21.58,221
Board_0-Net-(D12-K): length 14.4
  Top w0.25: 63.67,231.87 62.09,230.28 D12.1 ; 63.67,231.87 62.09,233.45 D21.1 ; 63.67,231.87 L1.1 Q3.3
Board_0-Net-(D14-A): length 4.9
  Top w0.254: R3.1 52.54,223.4 D14.2 55.04,220.89
Board_0-Net-(D15-A): length 12.7
  Top w0.254: D24.2 70.22,239.74 R4.1 63.05,246.91 D15.2
  Top w0.381: R4.1 66.08,243.86
Board_0-Net-(D17-A): length 3.1
  Top w0.254: R5.1 74.09,221.11 D17.2
Board_0-Net-(D18-A): length 12.8
  Top w0.254: D19.2 82.62,247 R7.1 80.42,243.43 76.2,239.2 76.2,237.57 D18.2 ; 83.14,247.2 83.17,247.16
Board_0-Net-(D20-A): length 20.7
  Top w0.254: R12.1 94.2,219.99 D22.2 95.21,233.27 D20.2
Board_0-Net-(D23-A): length 3.5
  Top w0.254: D23.2 55.16,235.91 R8.1
Board_0-Net-(D25-K): length 32.5
  Top w0.25: 83,222 83,224.81 85.87,227.68 ; Q4.3 87.4,218.94 L2.1 ; 85.87,227.68 D28.1 ; 85.87,227.68 83.51,230.05 D27#4.1 82.49,231.92 D26#2.1
  Top w0.254: 83,222 85.81,219.19 L2.1 ; D25.1 83.06,237.22 D26#2.1
Board_0-VCC: length 210.6
  Top w0.25: R6.1 67.68,226.08 67.68,227.62 Q3.2 ; Q4.2 88.42,215.2 R9.1
  Top w0.254: R1.1 44.38,216.6 Q2.2 ; R8.2 55.75,239.2 49.55,233 R3.2
  Top w0.381: 15.41,232.38 15.61,232.18 ; v1(30.8,218.4) R2.2 32.6,216.54 R11.1 30.67,216.4 Q1.2 ; Q2.2 46.12,216.72 v1(47.8,218.4) 47.8,221.65 R3.2 ; R5.2 72.39,224 v1(67.4,224) 67.4,225.8 R6.1 ; v1(62.6,221.6) 62.6,216.75 59.91,214.07 U1.6 ; R8.2 56.8,246.4 60.2,249.8 63.2,249.8 67.74,245.26 R4.2 77.84,243.86 78.78,244.8 ; R12.2 91.4,217.4 91.1,217.1 v1(90.1,217.1) 90.1,217.01 Q4.2 ; BT1.1 12.29,232.38 C3.1 C4.1 16.6,232.4 v1(18.4,230.6)
  Bottom w0.381: 66.3,222.7 67.4,223.8 v1(67.4,224) ; 66.3,222.7 71.2,217.8 J1.1 77.73,219.13 78.6,220 87.2,220 v1(90.1,217.1) ; 66.3,222.7 65.2,221.6 v1(62.6,221.6) 27.4,221.6 27.2,221.8 ; 27.2,221.8 27.4,221.8 v1(30.8,218.4) v1(47.8,218.4) ; 27.2,221.8 v1(18.4,230.6)
Board_1-/LED_EN_1: length 7.7
  Top w0.25: U1#2.16 166.89,220.47 166.89,222.02 167.78,222.91 R6#2.2 167.78,227.62 Q3#2.1
Board_1-/LED_EN_5: length 23.5
  Top w0.25: R9#2.2 188.77,214.95 Q4#2.1
  Top w0.254: Q4#2.1 167.01,215.26 U1#2.12
Board_1-/LED_EN_E: length 19.8
  Top w0.254: Q2#2.1 144.72,216.6 144.72,215 145.93,213.8 158.2,213.8 159.74,215.34 U1#2.5
Board_1-/LED_EN_M1: length 47.3
  Top w0.254: v1(159.6,216.6) 161.63,216.6 U1#2.4 ; v1(139,219.2) 138.94,219.26 D13#2.1 136.54,223.4 121.57,223.4 D11#2.1
  Bottom w0.254: v1(139,219.2) 156,219.2 158.6,216.6 v1(159.6,216.6)
Board_1-/LED_EN_M2: length 8.3
  Top w0.254: D14#2.1 155.06,220.34 157.52,217.88 U1#2.3
Board_1-/LED_EN_M3: length 18.8
  Top w0.254: D23#2.1 158.2,231.8 158.2,220 159.05,219.15 U1#2.2
Board_1-/LED_EN_M4: length 42.5
  Top w0.254: D24#2.1 163.15,244.37 D15#2.1 161.6,245.36 161.6,220.45 U1#2.1
Board_1-/LED_EN_M5: length 8.7
  Top w0.254: D17#2.1 171.21,217.88 U1#2.14
Board_1-/LED_EN_M6: length 43.1
  Top w0.254: U1#2.13 173.32,216.61 173.33,216.6 174.4,216.6 178.06,220.26 D18#2.1 178.06,235.86 184.2,242 184.2,244.26 D19#2.1
Board_1-/LED_EN_M7: length 49.8
  Top w0.254: D20#2.1 194.06,222.27 D22#2.1 195.33,216.33 191,212 188,212 185.93,214.07 U1#2.11
Board_1-/LED_EN_S: length 30
  Top w0.254: 161.63,212.8 U1#2.7 144.8,212.8 142.85,214.75 R11#2.2 134.09,214.38 132.65,214.38 Q1#2.1
Board_1-/P3.0: length 17.4
  Top w0.254: U1#2.9 175.93,211.53 v1(176,211.6) ; v1(180.4,216) 181,216.6 J1#2.2
  Bottom w0.254: v1(176,211.6) v1(180.4,216)
Board_1-/P3.1: length 18.4
  Top w0.254: J1#2.3 182.2,217.73 v1(182.2,215.99) ; v1(179.11,212.89) 179.01,212.8 U1#2.10
  Bottom w0.254: v1(179.11,212.89) v1(182.2,215.99)
Board_1-/SW_IN: length 71.6
  Top w0.254: 106.12,218.72 106.12,217.88 108.2,215.8 113,215.8 115.22,218.02 115.22,218.72 117.92,218.72 v1(118,218.8) ; v1(169.2,219.6) 168.75,219.15 U1#2.15
  Bottom w0.254: v1(118,218.8) 120.93,215.87 165.47,215.87 v1(169.2,219.6)
Board_1-Net-(D1-K): length 52.2
  Top w0.25: 115.44,239.94 116,239.94 D1#2.1 ; 115.44,239.94 D2#2.1 ; 115.44,239.94 120.06,235.31 D3#9.1 120.06,233.28 123.7,229.64 ; D4#2.1 125,230.94 123.7,229.64 ; 123.7,229.64 D5#2.1
  Top w0.254: Q1#2.3 130.7,215.4 L4#2.1 124.13,219.87 118.33,219.87 117.6,220.6 117.6,223.54 D5#2.1
Board_1-Net-(D10-K): length 43.4